# Altium PCB LeVentilateur.PcbDoc (part 2 of 2)
Units mm, origin at the board's own origin, x right, y up, seen from the top; angles counter-clockwise.
Board outline 207.39 x 152.65 mm, 2 copper layers (Top Layer, Bottom Layer); 161 components, 122 nets, 550 pads, 181 vias.
Unrouted connection lines stored in the file: 6.
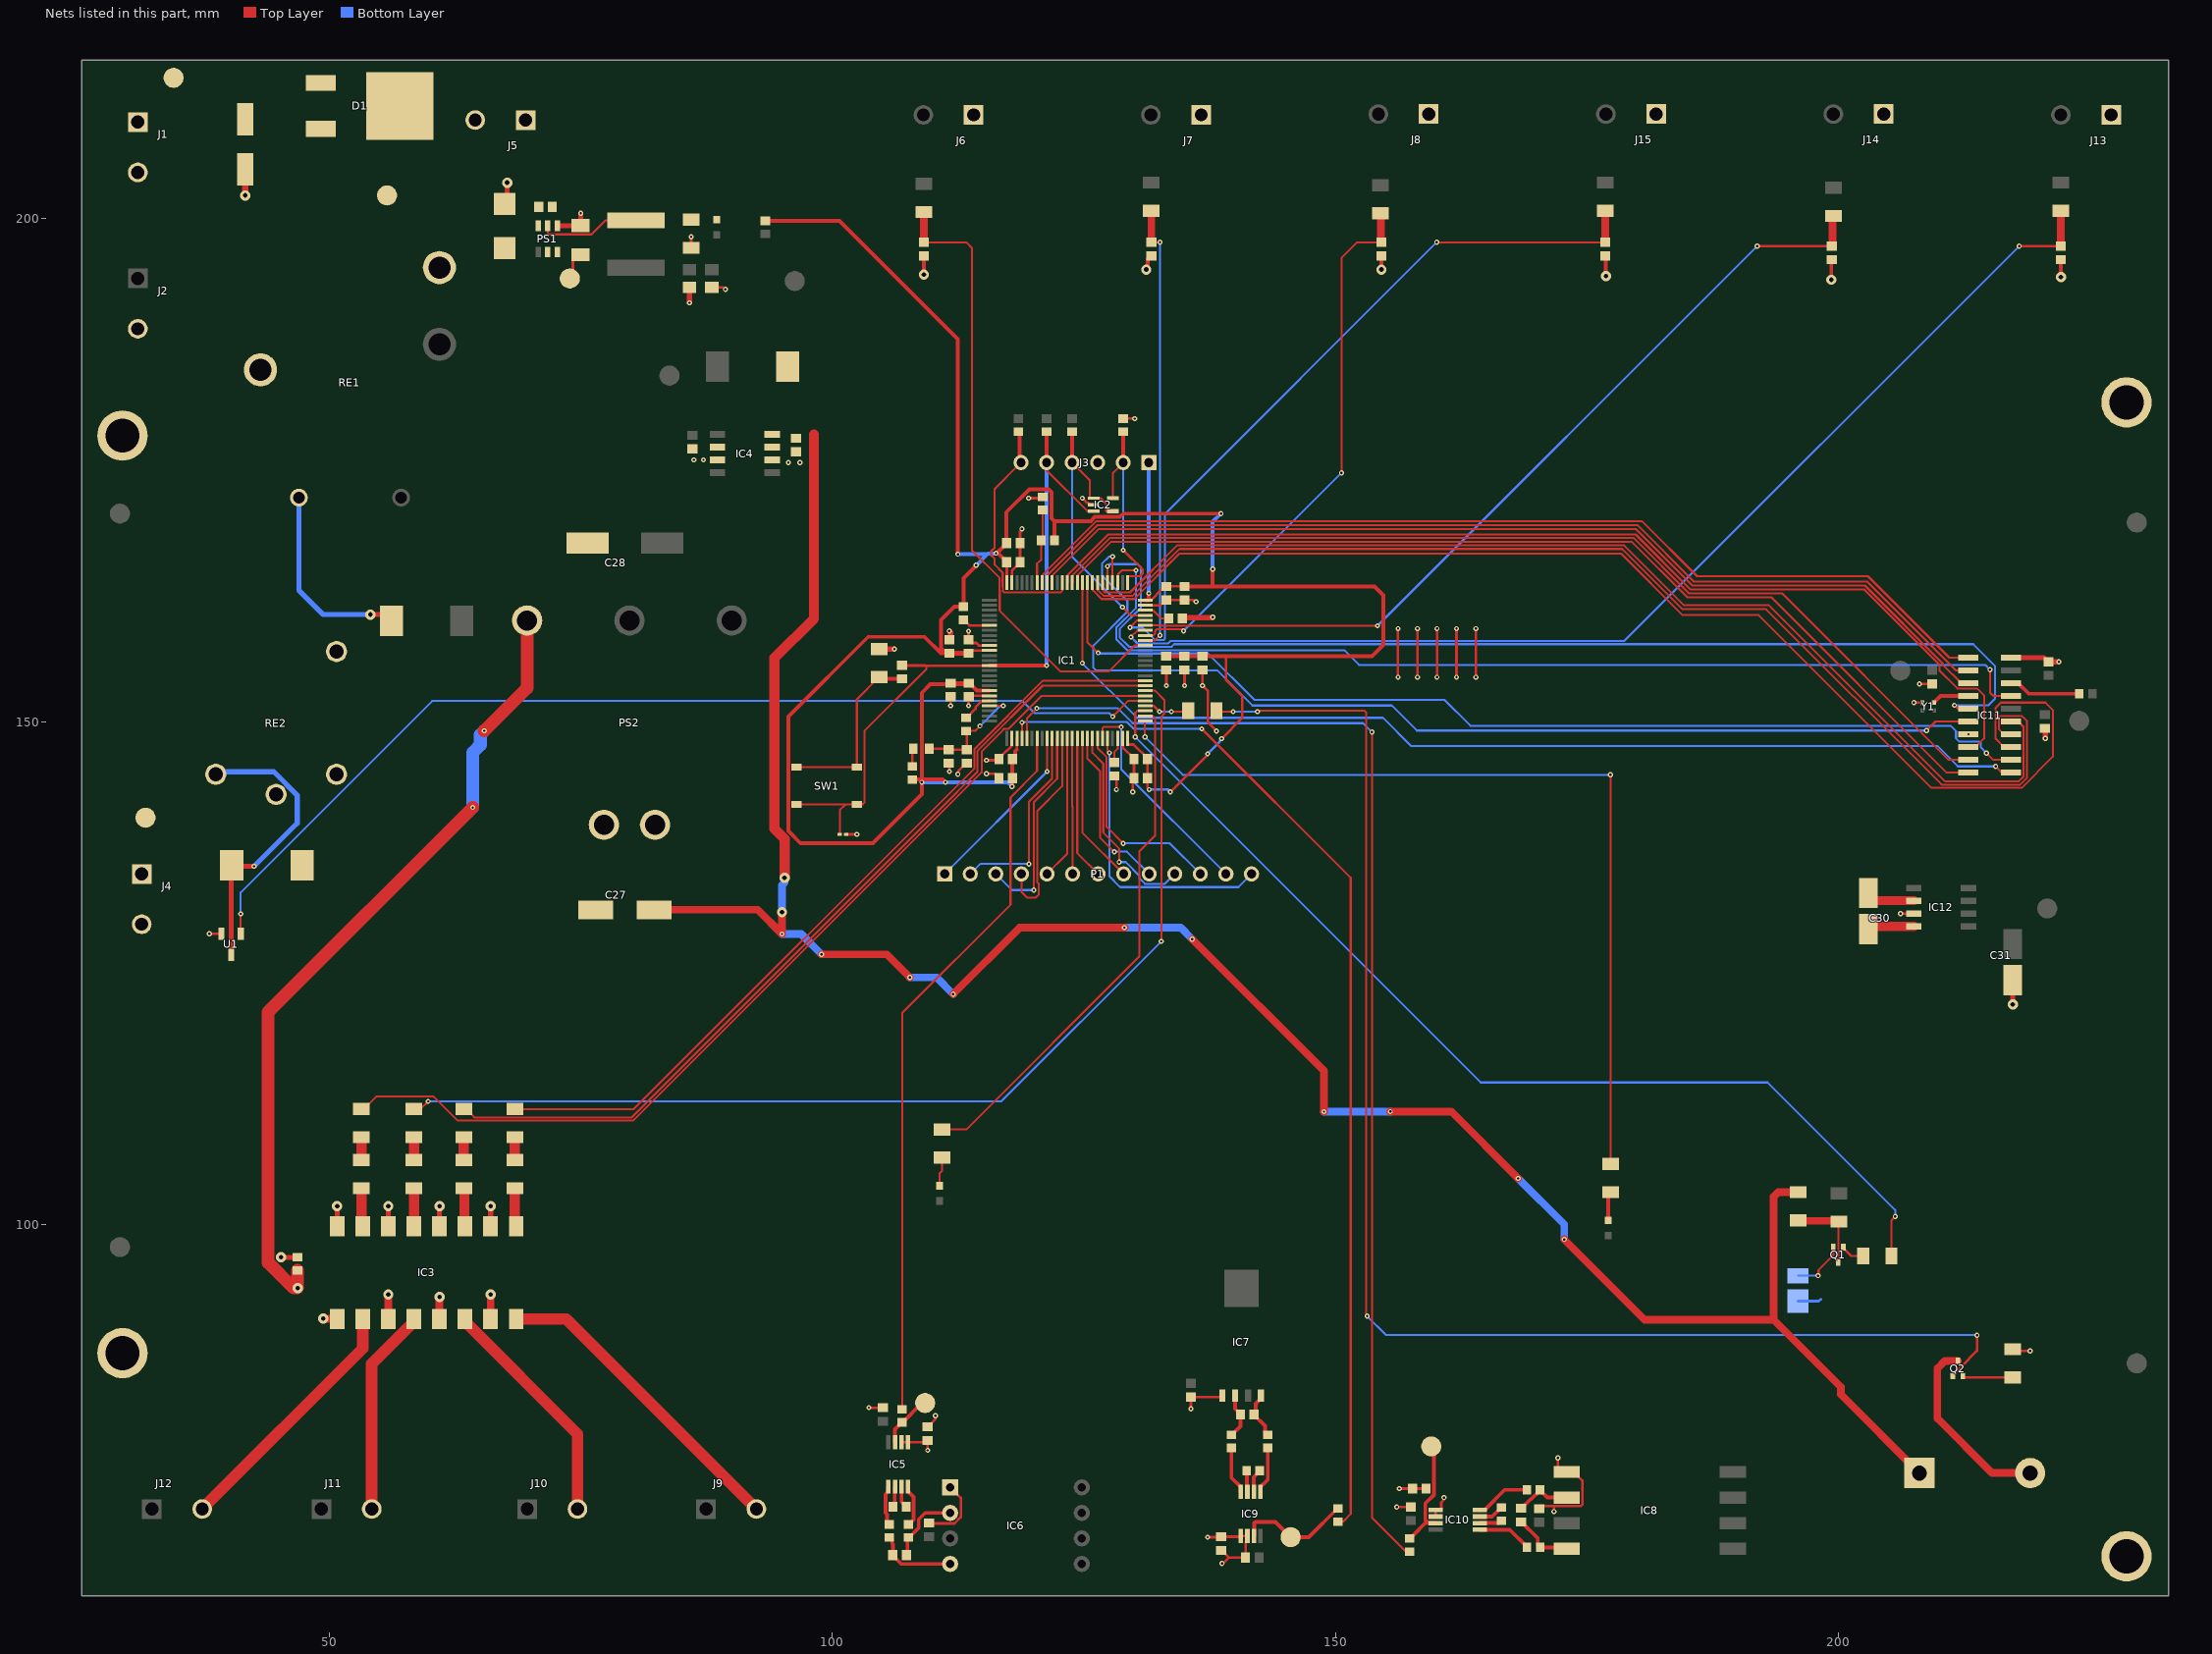
[diagram p2: the nets of this part, all layers, seen from the top]

## Via types
v1: diameter 0.508, hole 0.229, Top Layer to Bottom Layer, tented both sides, 155 vias
v2: diameter 1.016, hole 0.457, Top Layer to Bottom Layer, tented both sides, 24 vias
v3: diameter 3, hole 3, Top Layer to Bottom Layer, 2 vias

## Nets (pads, with @x,y where several pads share a name; then routed paths per layer and width w, separated by ;. In a path a pad name is that pad's centre, name@x,y a point inside that pad or via, vN(x,y) a via of type N, cw(c..) or ccw(c..) an arc to the next point about the centre after c; other vN are vias at no path point) (continued)
COM: C2.2 C3.1 C4.1 C5.1 C6.2 C7.2 C8.2 C9.2 C10.2 C11.2 C12.2 C13.2 C14.2 C15.2 C16.2 C17.2 C18.2 C19.2 C20.2 C21.2 C22.2 C23.1 C25.2 C26.2 C27.2 C29.2 C31.1 C39.2 C43.1 C43.2 C45.2 C46.1 C47.1 C49.1 C51.1 C52.1 C52.2 C53.2 C54.2 C55.2 C56.2 C57.2 C58.2 C59.2 C60.2 C61.2 C62.1 C62.2 D2.2 D3.2 D4.2 IC1.10 IC1.20 IC1.27 IC1.49 IC1.74 IC1.99 IC2.2 IC3.2 IC3.4 IC3.6 IC3.8 IC4.2 IC4.3 IC4.6 IC4.7 IC5.5 IC5.6 IC6.1 IC7.1 IC8.1 IC9.5 IC9.6 IC10.5 IC10.6 IC11.7 IC11.20 IC12.3 J1.2 J2.2 J3.3 J4.2 J6.1 J7.1 J8.1 J13.1 J14.1 J15.1 LED4.2 pad.4 PS1.4 PS2.1 R1.1 R3.1 R17.2 R26.1 R27.1 R44.1 RE1.2 U1.2 Y1.2 | length 193.9
  Top Layer w0.254: v1(38.1,128.939) U1.2@39.304,128.939 ; R1.1@85.979,197.098 v1(85.979,198.196) ; C5.1@88.011,193.181 89.105,193.181 89.309,192.976 v1(89.378,192.976) ; D3.2@101.367,138.811 v1(102.441,138.811) ; v1(103.632,81.828) C46.1@105.029,81.828 ; IC5.6@106.878,78.387 IC5.5@107.528,78.387 ; IC5.5@107.528,78.862 IC5.5@107.528,78.387 ; C43.2@109.151,79.6 C43.2@109.474,79.923 110.236,80.685 v1(110.236,81.026) ; v1(109.474,77.597) C43.1@109.474,78.573 109.288,78.387 IC5.5@107.528,78.387 ; C45.2@109.601,70.358 109.639,70.32 112.144,70.32 112.762,70.937 112.762,72.86 IC6.1@111.708,73.914 ; C25.2@111.568,145.883 111.633,145.818 v1(111.633,145.05) ; v1(111.76,151.583) C9.2@111.76,152.487 ; v1(112.471,144.792) 112.52,144.841 112.52,145.081 113.322,145.883 C26.2@113.372,145.883 ; v1(113.538,151.583) 113.538,152.461 C8.2@113.564,152.487 113.66,152.583 IC1.20@115.606,152.583 ; v1(113.538,159.004) C6.2@113.538,158.155 113.861,157.832 114.297,157.832 114.546,157.583 IC1.10@115.606,157.583 ; v1(115.316,144.841) 116.104,144.841 116.173,144.772 116.223,144.772 116.546,144.449 C12.2@116.546,144.399 ; v1(115.316,146.177) 116.419,146.177 C10.2@116.546,146.304 ; C10.2@116.536,146.352 116.546,146.354 117.318,147.126 117.371,147.126 117.82,147.575 117.82,148.322 IC1.27@117.844,148.345 ; IC1.99@117.844,163.821 117.844,164.998 118.658,165.812 C19.2@118.658,165.862 C18.2@118.658,167.767 118.658,168.91 118.844,169.095 v1(118.844,169.164) ; v1(119.507,172.227) 120.777,172.227 R3.1@120.904,172.354 ; v1(124.843,172.227) 124.843,172.203 125.274,171.773 125.383,171.773 125.579,171.577 IC2.2@125.979,171.577 ; C23.1@128.016,144.613 128.23,144.399 v1(128.23,143.256) ; IC1.49@128.843,148.345 128.866,148.322 128.866,147.46 129.972,146.354 C14.2@129.972,146.304 C13.2@129.972,144.399 129.846,144.272 v1(129.846,143.02) ; R26.1@128.905,180.131 v1(130.049,180.131) ; IC1.74@131.082,161.583 132.627,161.583 133.147,162.103 C16.2@133.197,162.103 C15.2@135.001,162.103 135.897,162.103 136.075,161.925 v1(136.144,161.925) ; v2(131.191,194.945) v2@131.326,195.08 ; C56.2@131.326,195.979 131.649,196.302 C56.2@131.699,196.302 ; C22.2@133.17,155.154 133.197,155.128 v1(133.197,153.583) ; C21.2@134.975,155.154 135.001,155.128 v1(135.001,153.583) ; v1(135.636,81.714) C61.2@135.636,82.891 ; C61.2@135.879,82.839 135.89,82.891 138.627,82.891 IC7.1@138.768,83.032 ; C20.2@136.779,155.154 v1(136.779,153.583) 137.322,153.04 137.322,149.937 v1(138.176,149.083) ; v1(137.287,68.961) 138.601,68.961 C62.2@138.641,69.001 140.519,69.001 IC9.5@140.587,69.069 IC9.6@141.237,69.069 141.237,68.594 141.057,68.414 C47.1@141.057,66.929 139.398,66.929 ; v1(138.716,66.342) 138.811,66.342 139.398,66.929 ; C62.1@138.811,67.481 C62.1@138.641,67.651 138.691,67.651 139.398,66.944 139.398,66.929 ; v1(156.083,71.958) C49.1@157.48,71.958 ; v1(156.21,154.432) v1(156.21,159.258) ; v1(156.337,73.787) C52.1@157.654,73.787 ; C52.1@157.48,73.613 C52.1@157.654,73.787 ; v1(158.147,154.432) v1(158.147,159.258) ; C52.2@159.004,73.787 C52.1@157.654,73.787 ; IC10.6@159.938,71.004 IC10.5@159.938,71.654 160.413,71.654 160.511,71.752 160.511,72.421 160.782,72.692 v1(160.782,72.898) ; v1(160.083,154.432) v1(160.083,159.258) ; v1(162.02,154.432) v1(162.02,159.258) ; v1(163.957,154.432) v1(163.957,159.258) ; C51.1@170.233,71.795 170.482,72.044 171.704,72.044 ; v1(171.704,71.501) 171.704,72.044 ; v1(172.085,76.835) 172.085,75.911 172.558,75.438 IC8.1@172.979,75.438 173.679,75.438 174.533,74.584 174.533,72.193 174.384,72.044 171.704,72.044 ; C60.2@176.795,196.302 C60.2@176.864,196.233 ; C59.2@199.263,195.86 C59.2@199.324,195.921 ; v1(206.133,130.937) IC12.3@207.473,130.937 ; v1(207.473,151.903) 207.481,151.894 208.307,151.894 Y1.2@208.315,151.886 ; v1(208.026,153.757) C53.2@209.296,153.757 ; R17.2@217.297,87.633 217.46,87.47 v1(219.026,87.47)
  Top Layer w0.381: v2(109.093,194.437) C55.2@109.093,196.302 ; v2@131.326,195.08 C56.2@131.326,195.979 ; v2(154.559,194.945) C57.2@154.559,196.302 ; v2(176.864,194.31) C60.2@176.864,196.233 ; v2(199.263,193.929) C59.2@199.263,195.86 ; v2(222.076,194.183) C58.2@222.076,195.921
  Top Layer w0.508: v2(45.212,96.774) R27.1@46.863,96.774 ; IC3.8@50.8,99.85 v2(50.8,101.854) ; v2(54.087,160.655) 55.555,160.655 D4.2@56.19,160.02 ; IC3.6@55.88,99.85 v2(55.88,101.854) ; IC3.4@60.96,99.85 v2(60.96,101.854) ; IC3.2@66.04,99.85 v2(66.04,101.854) ; D2.2@67.437,201.463 67.691,201.717 v2(67.691,203.581) ; PS1.4@72.666,199.293 73.502,199.293 73.514,199.305 74.984,199.305 C3.1@74.995,199.316 v1(74.995,200.533) ; v1(85.807,191.643) C4.1@85.807,193.181 ; R44.1@104.648,157.229 v1(106.172,157.229) ; v1(111.622,159.029) 111.76,158.892 111.76,158.282 C7.2@111.633,158.155 ; C11.2@134.787,160.274 134.85,160.338 137.731,160.338 v1(137.795,160.401) ; IC11.20@217.136,156.373 220.39,156.373 220.803,155.96 C29.2@220.853,155.96 220.857,155.956 v1(221.869,155.956) ; v2(217.297,121.92) C31.1@217.297,124.311 ; C54.2@220.472,149.348 220.541,149.28 v1(220.541,148.342)
  Top Layer w0.635: v2(41.656,202.311) C2.2@41.656,204.891
  Bottom Layer w0.254: LED4.2@195.961,92.422 198.017,92.422 198.178,92.583 198.247,92.583
  Bottom Layer w0.508: RE1.2@46.99,172.279 46.99,163.062 49.397,160.655 v2(54.087,160.655)
  other v1: 212.897,148.753 95.631,175.768 96.774,175.768 86.233,176.022 87.187,176.022
COM_ISO: C28.2 IC3.9 IC3.11 IC3.13 IC3.15 PS2.5 R27.2 | length 88.7
  Top Layer w0.762: v2(49.403,90.678) 49.417,90.664 50.786,90.664 IC3.9@50.8,90.65 ; IC3.11@55.88,90.65 v2(55.88,93.091) ; IC3.13@60.96,90.65 v2(60.96,92.837) ; IC3.15@66.04,90.65 v2(66.04,93.091)
  Top Layer w1.27: R27.2@46.863,95.474 v2(46.863,93.726) 46.464,93.726 43.942,96.248 43.942,121.158 v1(64.262,141.478) ; v1(65.408,149.098) 69.676,153.366 PS2.5@69.676,160.075
  Bottom Layer w1.27: v1(64.262,141.478) 64.262,146.939 65.024,147.701 65.024,148.714 v1(65.408,149.098)
LP_VOUT_N: C48.2 IC7.4 R32.2 | length 4.8
  Top Layer w0.381: IC7.4@142.578,83.032 142.578,82.732 142.07,82.225 142.07,81.324 C48.2@141.899,81.153 141.899,81.103 142.981,80.021 142.981,79.37 143.216,79.136 R32.2@143.265,79.136
LP_VOUT_P: C48.1 IC7.2 R35.2 | length 4.5
  Top Layer w0.381: R35.2@139.657,79.136 139.707,79.136 140.549,79.978 C48.1@140.549,81.153 140.549,81.203 140.038,81.714 IC7.2@140.038,83.032
NetB1_2: B1.2 Q2.3 | length 18.8
  Top Layer w0.762: Q2.3@211.836,86.477 210.556,86.477 209.804,85.725 209.804,80.772 215.238,75.338 B1.2@219.026,75.338
NetC1_1: C1.1 PS1.6
NetC1_2: C1.2 L1.1 PS1.5 | length 10.1
  Top Layer w0.203: PS1.5@71.716,199.293 71.716,198.591 71.869,198.437 76.072,198.437 77.47,199.835 L1.1@80.5,199.835
NetC2_1: C2.1 D1.1 D1.3 J1.1 TP1.1
NetC11_1: C11.1 IC1.73 | length 2.7
  Top Layer w0.203: IC1.73@131.082,161.083 131.881,161.083 132.69,160.274 C11.1@133.437,160.274
NetC23_2: C23.2 IC1.48 | length 2.5
  Top Layer w0.203: C23.2@128.016,145.963 128.016,146.99 128.344,147.317 IC1.48@128.344,148.345
NetC24_1: C24.1 R44.2 SW1.1 SW1.2 | length 18.2
  Top Layer w0.203: SW1.1@96.441,145.487 SW1.2@102.441,145.487 102.441,152.222 R44.2@104.648,154.429
  Top Layer w0.254: R44.2@104.648,154.429 R44.2@104.812,154.265
  Top Layer w0.381: R44.2@104.812,154.265 C24.1@106.934,154.265
NetC25_1: C25.1 C26.1 IC1.22 L2.2 R6.1 | length 11.7
  Top Layer w0.203: R6.1@113.284,149.083 114.173,149.083 v1(114.671,149.581) ; IC1.22@115.606,151.583 v1(116.967,151.583)
  Top Layer w0.254: L2.2@109.639,147.32 111.481,147.32 C25.1@111.568,147.233 C26.1@113.372,147.233 113.372,148.995 R6.1@113.284,149.083
  Bottom Layer w0.203: v1(114.671,149.581) 116.673,151.583 v1(116.967,151.583)
NetC30_1: C30.1 IC12.2 | length 4.9
  Top Layer w0.889: C30.1@202.946,132.991 202.946,132.942 203.681,132.207 IC12.2@207.473,132.207
NetC30_2: C30.2 IC12.4 | length 4.6
  Top Layer w0.889: C30.2@202.946,129.391 203.222,129.667 IC12.4@207.473,129.667
NetC55_1: C55.1 IC1.66 R45.1 | length 63.3
  Top Layer w0.203: C55.1@109.093,197.652 113.32,197.652 113.868,197.104 113.868,167.056 116.594,164.33 116.594,163.072 116.635,163.072 116.635,161.038 122.682,154.991 127.457,154.991 130.049,157.583 IC1.66@131.082,157.583
  Top Layer w0.762: C55.1@109.093,197.652 R45.1@109.093,200.657
NetC56_1: C56.1 IC1.67 R46.1 | length 44.7
  Top Layer w0.203: IC1.67@131.082,158.083 132.055,158.083 v1(132.563,158.591) ; C56.1@131.699,197.652 v1(132.563,197.652)
  Top Layer w0.762: C56.1@131.699,197.652 R46.1@131.699,200.784
  Bottom Layer w0.203: v1(132.563,158.591) v1(132.563,197.652)
NetC57_1: C57.1 IC1.68 R47.1 | length 55.4
  Top Layer w0.203: IC1.68@131.082,158.583 131.888,158.583 132.055,158.75 132.055,159.004 132.266,159.215 134.714,159.215 v1(134.899,159.029) ; v1(150.597,174.727) 150.597,196.103 152.146,197.652 C57.1@154.559,197.652
  Top Layer w0.762: R47.1@154.441,200.53 154.5,200.471 154.5,197.711 C57.1@154.559,197.652
  Bottom Layer w0.203: v1(134.899,159.029) v1(150.597,174.727)
NetC58_1: C58.1 IC1.69 R48.1 | length 114.2
  Top Layer w0.203: v1(129.671,158.424) 130.33,159.083 IC1.69@131.082,159.083 ; v1(217.932,197.271) C58.1@222.076,197.271
  Top Layer w0.762: C58.1@222.076,197.271 R48.1@222.076,200.784
  Bottom Layer w0.203: v1(129.671,158.424) 130.316,157.778 133.375,157.778 133.636,158.039 178.7,158.039 v1(217.932,197.271)
NetC59_1: C59.1 IC1.70 R49.1 | length 86.9
  Top Layer w0.203: IC1.70@131.082,159.583 132.728,159.583 132.766,159.545 v1(154.171,159.545) ; v1(191.897,197.271) C59.1@199.324,197.271
  Top Layer w0.762: C59.1@199.324,197.271 199.328,197.271 199.397,197.34 199.397,200.2 R49.1@199.47,200.273
  Bottom Layer w0.203: v1(154.171,159.545) v1(191.897,197.271)
NetC60_1: C60.1 IC1.71 R50.1 | length 76.3
  Top Layer w0.203: v1(129.588,159.369) 130.302,160.083 IC1.71@131.082,160.083 ; v1(160.06,197.652) C60.1@176.795,197.652
  Top Layer w0.762: R50.1@176.784,200.784 176.79,200.778 176.79,197.658 C60.1@176.795,197.652
  Bottom Layer w0.203: v1(129.588,159.369) 130.819,159.369 132.08,158.108 132.912,158.108 133.045,158.242 133.045,170.637 v1(160.06,197.652)
NetD5_2: D5.2 RE2.5 U1.3 | length 29.1
  Top Layer w0.508: U1.3@40.259,126.839 40.259,135.67 40.293,135.636 v1(42.545,135.636)
  Bottom Layer w0.508: RE2.5@38.735,144.78 38.989,145.034 44.505,145.034 46.819,142.719 46.819,139.91 v1(42.545,135.636)
NetIC1_6: IC1.6 R4.2 | length 2.8
  Top Layer w0.254: R4.2@113.03,160.132 113.08,160.132 113.629,159.583 IC1.6@115.606,159.583
NetIC1_21: IC1.21 R6.2 | length 3.1
  Top Layer w0.254: R6.2@113.284,150.383 113.334,150.383 114.234,151.283 114.234,151.458 114.836,152.06 115.582,152.06 IC1.21@115.606,152.083
NetIC1_29: IC1.29 R33.1 | length 105.5
  Top Layer w0.203: IC1.29@118.844,148.345 v1(118.844,149.936) ; v1(136.703,149.301) 151.511,134.493 151.511,71.268 150.749,70.506 R33.1@150.241,70.506
  Bottom Layer w0.203: v1(118.844,149.936) 118.869,149.962 129.286,149.962 129.946,149.301 v1(136.703,149.301)
NetIC1_30: IC1.30 R36.1 | length 120.9
  Top Layer w0.203: IC1.30@119.344,148.345 119.344,150.357 v1(120.32,151.333) ; v1(153.619,148.971) 153.619,70.907 156.997,67.528 R36.1@157.353,67.528
  Bottom Layer w0.203: v1(120.32,151.333) 128.381,151.333 129.855,149.86 152.73,149.86 v1(153.619,148.971)
NetIC1_32: IC1.32 R29.1 | length 72.2
  Top Layer w0.203: R29.1@106.934,81.661 106.934,121.056 117.704,131.826 117.704,142.469 120.344,145.109 IC1.32@120.344,148.345
NetIC1_34: IC1.34 P1.1 | length 17.7
  Top Layer w0.203: v1(121.344,145.05) IC1.34@121.344,148.345
  Bottom Layer w0.203: P1.1@111.168,134.874 v1(121.344,145.05)
NetIC1_35: IC1.35 P1.2 | length 19.7
  Top Layer w0.203: v1(119.532,135.865) 119.532,142.062 121.843,144.373 IC1.35@121.843,148.345
  Bottom Layer w0.203: P1.2@113.708,134.874 114.699,135.865 v1(119.532,135.865)
NetIC1_36: IC1.36 P1.3 | length 20.5
  Top Layer w0.203: v1(120.019,133.274) 120.019,142.016 122.344,144.34 IC1.36@122.344,148.345
  Bottom Layer w0.203: P1.3@116.248,134.874 117.848,133.274 v1(120.019,133.274)
NetIC1_37: IC1.37 P1.4 | length 20.5
  Top Layer w0.203: P1.4@118.788,134.874 118.788,133.104 119.38,132.512 120.193,132.512 120.523,132.842 120.523,133.883 120.349,134.057 120.349,141.101 122.843,143.595 IC1.37@122.843,148.345
NetIC1_38: IC1.38 P1.5 | length 14.3
  Top Layer w0.203: P1.5@121.328,134.874 123.344,136.89 IC1.38@123.344,148.345
NetIC1_39: IC1.39 P1.6 | length 13.5
  Top Layer w0.203: IC1.39@123.843,148.345 123.843,141.604 123.868,141.58 P1.6@123.868,134.874
NetIC1_40: IC1.40 P1.7 | length 14.3
  Top Layer w0.203: IC1.40@124.344,148.345 124.344,136.938 P1.7@126.408,134.874
NetIC1_41: IC1.41 P1.8 | length 15.2
  Top Layer w0.203: IC1.41@124.843,148.345 124.843,138.978 P1.8@128.948,134.874
NetIC1_42: IC1.42 P1.9 | length 16.8
  Top Layer w0.203: IC1.42@125.344,148.345 125.344,146.357 126.594,145.106 126.594,138.506 v1(128.016,137.084)
  Bottom Layer w0.203: v1(128.016,137.084) 129.278,137.084 P1.9@131.488,134.874
NetIC1_43: IC1.43 P1.10 | length 20.4
  Top Layer w0.203: IC1.43@125.843,148.345 125.843,146.915 126.924,145.835 126.924,138.989 128.499,137.414 v1(128.499,136.056)
  Bottom Layer w0.203: v1(128.499,136.056) 129.15,136.056 130.505,134.701 130.505,134.454 131.064,133.895 133.049,133.895 P1.10@134.028,134.874
NetIC1_44: IC1.44 P1.11 | length 20.4
  Top Layer w0.203: IC1.44@126.344,148.345 126.344,147.395 127.254,146.484 127.254,139.561 v1(128.903,137.913)
  Bottom Layer w0.203: v1(128.903,137.913) 133.529,137.913 P1.11@136.568,134.874
NetIC1_45: IC1.45 P1.12 | length 21.8
  Top Layer w0.203: IC1.45@126.843,148.345 126.843,149.352 126.97,149.479 v1(128.702,149.479)
  Bottom Layer w0.203: v1(128.702,149.479) 128.702,145.28 P1.12@139.108,134.874
NetIC1_46: IC1.46 P1.13 | length 28.9
  Top Layer w0.203: IC1.46@127.344,148.345 127.344,147.103 v1(127.533,146.914)
  Bottom Layer w0.203: v1(127.533,146.914) 127.533,134.62 128.588,133.565 140.339,133.565 P1.13@141.648,134.874
NetIC1_51: IC1.51 R12.1 | length 88.1
  Top Layer w0.203: v1(131.064,148.488) 131.064,150.083 IC1.51@131.082,150.083 ; v1(177.317,144.729) 177.335,144.712 R12.1@177.335,106.048
  Bottom Layer w0.203: v1(131.064,148.488) 134.823,144.729 v1(177.317,144.729)
NetIC1_52: IC1.52 R11.1 | length 52.1
  Top Layer w0.203: R11.1@110.914,109.477 113.309,109.477 130.505,126.673 130.505,137.135 132.08,138.709 132.08,150.329 131.826,150.583 IC1.52@131.082,150.583
NetIC1_53: IC1.53 R15.2 | length 103.2
  Top Layer w0.203: v1(130.099,148.488) 130.099,150.88 130.302,151.083 IC1.53@131.082,151.083 ; R15.2@205.235,96.911 205.235,100.429 205.616,100.81 v1(205.616,100.838)
  Bottom Layer w0.203: v1(130.099,148.488) 164.44,114.148 192.938,114.148 205.616,101.47 v1(205.616,100.838)
NetIC1_54: IC1.54 R16.2 | length 4.6
  Top Layer w0.203: IC1.54@131.082,151.583 131.926,151.583 v1(132.506,151.003) ; v1(133.694,151.003) 135.296,151.003 R16.2@135.376,151.083
  Bottom Layer w0.203: v1(132.506,151.003) v1(133.694,151.003)
NetIC1_55: IC1.55 U1.1 | length 103.1
  Top Layer w0.203: U1.1@41.214,128.939 v1(41.214,130.912) ; v1(127.864,150.52) 129.426,152.083 IC1.55@131.082,152.083
  Bottom Layer w0.203: v1(41.214,130.912) 41.214,133.035 60.245,152.066 118.905,152.066 120.12,150.851 127.533,150.851 v1(127.864,150.52)
NetIC1_56: IC1.56 R25.1 | length 98.1
  Top Layer w0.203: R25.1@53.213,111.509 53.438,111.509 54.68,112.751 60.383,112.751 62.784,110.35 80.21,110.35 114.833,144.973 114.833,147.046 116.965,149.177 117.099,149.311 117.536,149.311 120.808,152.583 IC1.56@131.082,152.583
NetIC1_57: IC1.57 R23.1 | length 107.6
  Top Layer w0.203: R23.1@58.42,111.509 59.083,111.509 v1(59.842,112.268) ; IC1.57@131.082,153.083 132.08,153.083 132.989,152.174 132.989,150.803 132.69,150.504 v1(132.69,128.168)
  Bottom Layer w0.203: v1(59.842,112.268) 116.789,112.268 v1(132.69,128.168)
NetIC1_58: IC1.58 R21.1 | length 87
  Top Layer w0.203: R21.1@63.373,111.509 63.598,111.509 64.427,110.68 80.073,110.68 112.399,143.006 112.399,143.02 114.431,145.051 114.431,147.11 120.904,153.583 IC1.58@131.082,153.583
NetIC1_59: IC1.59 R19.1 | length 81.4
  Top Layer w0.203: R19.1@68.453,111.509 80.272,111.509 114.101,145.338 114.101,147.247 120.937,154.083 IC1.59@131.082,154.083
NetIC1_78: IC1.78 IC11.17 | length 103
  Top Layer w0.203: IC1.78@128.344,163.821 128.344,164.615 128.778,165.049 v1(130.175,165.049) ; v1(215.036,155.169) 215.036,152.908 215.381,152.563 IC11.17@217.136,152.563
  Bottom Layer w0.203: v1(130.175,165.049) 130.175,161.32 128.219,159.364 128.219,158.191 129.293,157.118 150.857,157.118 152.323,155.652 214.553,155.652 v1(215.036,155.169)
NetIC1_79: IC1.79 IC11.6 | length 106.6
  Top Layer w0.203: IC1.79@127.843,163.821 v1(127.843,166.421) ; v1(208.726,149.123) 209.626,150.023 IC11.6@212.886,150.023
  Bottom Layer w0.203: v1(127.843,166.421) 127.508,166.421 126.797,165.71 126.797,164.541 129.311,162.027 129.311,160.96 125.933,157.582 125.933,155.372 126.213,155.092 138.278,155.092 141.757,151.613 155.6,151.613 158.09,149.123 v1(208.726,149.123)
NetIC1_80: IC1.80 IC11.5 | length 110.5
  Top Layer w0.203: IC1.80@127.344,163.821 v1(127.344,165.456) ; v1(211.495,151.638) 211.84,151.293 IC11.5@212.886,151.293
  Bottom Layer w0.203: v1(127.344,165.456) 127.547,165.659 130.353,165.659 130.658,165.354 130.658,161.335 128.549,159.227 128.549,158.394 129.496,157.448 133.706,157.448 133.966,157.709 213.36,157.709 215.519,155.55 215.519,152.273 214.884,151.638 v1(211.495,151.638)
NetIC1_81: IC1.81 IC11.15 | length 110.6
  Top Layer w0.203: IC1.81@126.843,163.821 126.892,163.773 126.892,163.062 127.099,162.855 129.588,162.855 134.26,167.526 178.686,167.526 184.633,161.58 193.053,161.58 210.549,144.084 217.901,144.084 218.365,144.549 218.365,149.495 217.836,150.023 IC11.15@217.136,150.023
NetIC1_82: IC1.82 IC11.14 | length 116.5
  Top Layer w0.203: IC1.82@126.344,163.821 126.392,163.773 126.392,163.062 126.929,162.525 129.846,162.525 134.491,167.171 178.488,167.171 184.471,161.188 192.795,161.188 210.229,143.754 218.037,143.754 218.695,144.412 218.695,150.088 218.231,150.552 216.041,150.552 215.907,150.418 215.907,149.282 216.436,148.753 IC11.14@217.136,148.753
NetIC1_83: IC1.83 IC11.13 | length 125.1
  Top Layer w0.203: IC1.83@125.843,163.821 125.892,163.773 125.892,163.062 126.759,162.194 129.982,162.194 134.503,166.715 178.389,166.715 184.497,160.607 192.05,160.607 209.232,143.424 218.174,143.424 221.277,146.527 221.277,151.166 220.541,151.903 216.122,151.903 215.577,151.358 215.577,148.342 216.436,147.483 IC11.13@217.136,147.483
NetIC1_84: IC1.84 IC11.12 | length 103.2
  Top Layer w0.203: IC1.84@125.344,163.821 125.344,157.917 v1(126.416,156.845) ; v1(214.681,146.888) 215.356,146.213 IC11.12@217.136,146.213
  Bottom Layer w0.203: v1(126.416,156.845) 126.473,156.788 137.319,156.788 141.935,152.171 160.833,152.171 163.398,149.606 211.107,149.606 211.654,149.058 211.654,148.361 212.004,148.012 213.981,148.012 214.115,147.878 214.115,147.454 v1(214.681,146.888)
NetIC1_85: IC1.85 IC11.11 | length 104.8
  Top Layer w0.203: v1(124.843,155.827) IC1.85@124.843,163.821 ; v1(215.595,145.567) 216.219,144.943 IC11.11@217.136,144.943
  Bottom Layer w0.203: v1(124.843,155.827) 130.277,150.393 154.711,150.393 157.531,147.574 209.84,147.574 211.847,145.567 v1(215.595,145.567)
NetIC1_86: IC1.86 IC11.10 | length 100.2
  Top Layer w0.203: IC1.86@124.344,163.821 124.392,163.869 124.392,164.58 127.708,167.897 179.425,167.897 184.958,162.364 193.305,162.364 210.726,144.943 IC11.10@212.886,144.943
NetIC1_87: IC1.87 IC11.9 | length 100.4
  Top Layer w0.203: IC1.87@123.843,163.821 123.892,163.869 123.892,164.58 127.591,168.279 179.597,168.279 185.12,162.756 194.375,162.756 210.918,146.213 IC11.9@212.886,146.213
NetIC1_88: IC1.88 IC11.8 | length 106.7
  Top Layer w0.203: IC1.88@123.344,163.821 123.392,163.869 123.392,164.58 127.421,168.609 179.822,168.609 185.283,163.148 202.528,163.148 210.025,155.652 210.025,155.071 211.791,153.305 213.768,153.305 214.445,152.628 214.445,148.342 213.586,147.483 IC11.8@212.886,147.483
NetIC1_91: IC1.91 IC11.3 | length 100.8
  Top Layer w0.203: IC1.91@121.843,163.821 121.892,163.869 121.892,164.58 126.476,169.164 179.821,169.164 185.445,163.54 202.603,163.54 210.355,155.788 210.355,155.664 212.186,153.833 IC11.3@212.886,153.833 213.603,153.833 IC11.3@213.614,153.844
NetIC1_92: IC1.92 IC11.2 | length 100.3
  Top Layer w0.203: IC1.92@121.344,163.821 121.392,163.869 121.392,164.58 126.368,169.556 179.984,169.556 185.607,163.932 202.844,163.932 211.673,155.103 IC11.2@212.886,155.103
NetIC1_93: IC1.93 IC11.1 | length 100.6
  Top Layer w0.203: IC1.93@120.843,163.821 120.892,163.869 120.892,164.58 126.26,169.948 180.445,169.948 185.928,164.465 202.901,164.465 210.993,156.373 IC11.1@212.886,156.373
NetIC1_94: IC1.94 R2.1 R3.2 | length 7.5
  Top Layer w0.203: IC1.94@120.344,163.821 120.344,165.71 120.762,166.128 R2.1@120.762,168.021 120.904,168.021 R3.2@120.904,171.054
NetIC3_1: IC3.1 R18.2 | length 3.9
  Top Layer w0.203: IC3.1@68.453,99.977 68.453,99.85 IC3.1@68.58,99.85
  Top Layer w1.016: IC3.1@68.453,99.977 R18.2@68.453,103.629
NetIC3_3: IC3.3 R20.2 | length 4.1
  Top Layer w1.016: R20.2@63.119,103.629 63.345,103.629 63.436,103.537 63.436,99.913 IC3.3@63.5,99.85
NetIC3_5: IC3.5 R22.2 | length 3.8
  Top Layer w1.016: IC3.5@58.42,99.85 R22.2@58.42,103.629
NetIC3_7: IC3.7 R24.2 | length 3.9
  Top Layer w0.203: IC3.7@53.213,99.977 53.213,99.85 IC3.7@53.34,99.85
  Top Layer w1.016: IC3.7@53.213,99.977 R24.2@53.213,103.629
NetIC3_10: IC3.10 J12.2 | length 25.5
  Top Layer w1.143: J12.2@37.385,71.755 53.34,87.71 IC3.10@53.34,90.65
NetIC3_12: IC3.12 J11.2 | length 20.6
  Top Layer w1.143: J11.2@54.229,71.755 54.229,86.184 58.42,90.375 IC3.12@58.42,90.65
NetIC3_14: IC3.14 J10.2 | length 23.5
  Top Layer w1.143: IC3.14@63.5,90.65 63.5,90.375 74.676,79.199 J10.2@74.676,71.755
NetIC3_16: IC3.16 J9.2 | length 31.7
  Top Layer w1.143: IC3.16@68.58,90.65 73.561,90.65 J9.2@92.456,71.755
NetIC5_1: IC5.1 R31.1 | length 4
  Top Layer w0.381: IC5.1@105.578,73.987 105.544,73.952 105.544,73.477 105.288,73.221 105.288,71.376 105.439,71.225 105.439,70.454 R31.1@105.664,70.228
NetIC5_2: IC5.2 R30.1 | length 2.1
  Top Layer w0.381: R30.1@106.03,71.982 106.193,72.146 106.193,73.952 IC5.2@106.228,73.987
NetIC5_3: IC5.3 R30.2 | length 2.2
  Top Layer w0.381: IC5.3@106.878,73.987 106.878,72.484 107.33,72.032 R30.2@107.33,71.982
NetIC5_4: IC5.4 R28.1 | length 4.2
  Top Layer w0.381: IC5.4@107.528,73.987 107.528,73.512 108.072,72.967 108.072,70.686 107.614,70.228 R28.1@107.564,70.228
NetIC5_7: IC5.7 R29.2 TP7.1 | length 5.4
  Top Layer w0.381: IC5.7@106.228,78.387 106.228,79.705 106.884,80.361 R29.2@106.934,80.361 106.984,80.361 108.919,82.296 TP7.1@109.22,82.296
NetIC9_1: IC9.1 R32.1 | length 4.7
  Top Layer w0.381: IC9.1@142.537,73.469 142.571,73.503 142.571,73.978 143.265,74.672 R32.1@143.265,77.836
NetIC9_2: IC9.2 R34.2 | length 2.3
  Top Layer w0.381: IC9.2@141.887,73.469 141.887,74.936 142.466,75.515 R34.2@142.466,75.565
NetIC9_3: IC9.3 R34.1 | length 2.1
  Top Layer w0.381: R34.1@141.166,75.565 141.203,75.528 141.203,73.503 IC9.3@141.237,73.469
NetIC9_4: IC9.4 R35.1 | length 4.8
  Top Layer w0.381: R35.1@139.657,77.836 139.657,74.874 140.553,73.978 140.553,73.503 IC9.4@140.587,73.469
NetIC9_7: IC9.7 R33.2 TP8.1 | length 11.5
  Top Layer w0.381: IC9.7@141.887,69.069 141.921,69.103 141.921,70.354 142.048,70.481 144.022,70.481 TP8.1@145.542,68.961 147.346,68.961 150.191,71.806 R33.2@150.241,71.806
NetIC10_1: IC10.1 R38.1 | length 5.4
  Top Layer w0.381: IC10.1@164.338,69.704 167.317,69.704 169.026,67.995 R38.1@169.026,67.945
NetIC10_2: IC10.2 R37.2 | length 2.3
  Top Layer w0.381: IC10.2@164.338,70.354 166.204,70.354 166.447,70.597 R37.2@166.497,70.597
NetIC10_3: IC10.3 R37.1 | length 2.5
  Top Layer w0.381: IC10.3@164.338,71.004 165.554,71.004 166.447,71.897 R37.1@166.497,71.897
NetIC10_4: IC10.4 R41.1 | length 5.5
  Top Layer w0.381: IC10.4@164.338,71.654 164.372,71.688 164.848,71.688 166.819,73.66 R41.1@169.022,73.66
NetIC10_7: IC10.7 R36.2 TP9.1 | length 11.4
  Top Layer w0.381: R36.2@157.353,68.829 157.403,68.829 158.279,69.705 158.279,69.712 158.92,70.354 159.214,70.354 ; TP9.1@159.512,77.978 159.771,77.719 159.771,73.156 158.92,72.305 158.92,70.647 159.214,70.354 ; IC10.7@159.938,70.354 159.214,70.354
NetIC11_4: IC11.4 Y1.1 | length 4.4
  Top Layer w0.381: Y1.1@209.475,151.886 209.475,151.921 210.117,152.563 IC11.4@212.886,152.563 IC11.4@213.614,152.563
NetIC11_18: IC11.18 R39.1 | length 7.2
  Top Layer w0.381: IC11.18@217.136,153.833 217.836,153.833 218.888,152.781 R39.1@223.901,152.781
NetJ4_1: J4.1 RE2.1 TP5.1
NetJ5_1: J5.1 RE1.1
NetL2_1: L2.1 R7.2 | length 1.8
  Top Layer w0.254: R7.2@107.95,145.557 107.95,147.231 L2.1@108.039,147.32
NetLED1_1: LED1.1 R1.2
NetLED2_1: LED2.1 R11.2 | length 2.9
  Top Layer w0.203: LED2.1@110.66,103.874 110.66,105.131 110.914,105.385 R11.2@110.914,106.677
NetLED3_1: LED3.1 R12.2 | length 2.9
  Top Layer w0.381: LED3.1@177.081,100.445 177.081,102.994 R12.2@177.335,103.248
NetLED4_1: LED4.1 Q1.1 | length 5.4
  Top Layer w0.203: v1(197.952,94.947) 197.995,94.99 197.995,95.506 199.46,96.971 Q1.1@199.46,97.78
  Bottom Layer w0.203: LED4.1@195.961,94.947 v1(197.952,94.947)
NetM1_1: 
NetM1_2: 
NetM1_3: 
NetQ1_2: Q1.2 R15.1 | length 2.4
  Top Layer w0.203: Q1.2@200.46,97.78 200.46,97.687 201.237,96.911 R15.1@202.435,96.911
NetQ1_3: Q1.3 R13.1 R14.1 | length 8.1
  Top Layer w0.203: Q1.3@199.96,96.276 R14.1@199.96,100.389
  Top Layer w0.762: R13.1@195.961,100.454 196.026,100.389 R14.1@199.96,100.389
NetQ2_1: Q2.1 R17.1 | length 5
  Top Layer w0.254: Q2.1@212.336,84.973 212.336,84.936 212.439,84.833 R17.1@217.297,84.833
NetQ2_2: Q2.2 R16.1 | length 141.5
  Top Layer w0.203: R16.1@138.176,151.083 138.256,151.003 v1(139.827,151.003) ; v1(142.24,151.003) 142.32,151.083 152.873,151.083 153.054,150.901 153.054,91.014 v1(153.137,90.932)
  Top Layer w0.254: Q2.2@211.336,84.973 211.336,85.066 212.171,85.9 213.741,87.47 v1(213.741,89.027)
  Bottom Layer w0.203: v1(139.827,151.003) v1(142.24,151.003) ; v1(153.137,90.932) 155.016,89.052 v1@213.741,89.052
NetR18_1: R18.1 R19.2 | length 2.3
  Top Layer w1.016: R18.1@68.453,106.429 R19.2@68.453,108.709
NetR20_1: R20.1 R21.2 | length 2.3
  Top Layer w1.016: R20.1@63.373,106.429 R21.2@63.373,108.709
NetR22_1: R22.1 R23.2 | length 2.3
  Top Layer w1.016: R22.1@58.42,106.429 R23.2@58.42,108.709
NetR24_1: R24.1 R25.2 | length 2.3
  Top Layer w1.016: R24.1@53.213,106.429 R25.2@53.213,108.709
NRST: C24.2 D3.1 IC1.14 IC2.3 J3.5 R9.2 SW1.3 SW1.4 | length 73.3
  Top Layer w0.203: SW1.3@96.441,141.787 101.299,141.787 ; D3.1@100.742,138.811 100.736,138.811 100.736,141.224 101.299,141.787 ; C24.2@106.934,155.615 109.22,155.615 109.252,155.583 109.347,155.488 109.347,155.245 103.175,149.073 103.175,141.965 102.997,141.787 SW1.4@102.441,141.787 101.299,141.787 ; J3.5@121.285,175.768 121.285,174.996 125.354,170.927 IC2.3@125.979,170.927
  Top Layer w0.254: C24.2@106.934,155.615 106.966,155.583 109.22,155.583 109.347,155.583 IC1.14@115.606,155.583
  Top Layer w0.381: IC1.14@115.606,155.583 v1(121.285,155.583) ; J3.5@121.285,175.768 R9.2@121.285,178.831
  Bottom Layer w0.381: v1(121.285,155.583) J3.5@121.285,175.768
SWCLK: IC1.76 IC2.5 J3.2 R26.2 | length 21.1
  Top Layer w0.203: IC2.5@127.879,172.227 127.889,172.227 127.889,174.752 J3.2@128.905,175.768 ; v1(128.905,167.056) 130.852,165.109 130.852,164.761 130.556,164.465 129.344,164.465 IC1.76@129.344,163.821
  Top Layer w0.381: J3.2@128.905,175.768 R26.2@128.905,178.831
  Bottom Layer w0.203: v1(128.905,167.056) J3.2@128.905,175.768
SWDIO: IC1.72 IC2.1 IC2.4 J3.4 R8.2 | length 29.7
  Top Layer w0.203: J3.4@123.825,175.768 125.578,174.015 125.578,172.227 IC2.1@125.979,172.227 126.655,172.227 127.193,171.689 127.193,170.927 IC2.4@127.879,170.927 ; v1(128.829,161.392) 129.637,160.583 IC1.72@131.082,160.583
  Top Layer w0.381: J3.4@123.825,175.768 R8.2@123.825,178.831
  Bottom Layer w0.203: J3.4@123.825,175.768 123.825,166.395 v1(128.829,161.392)
SWO: IC1.89 J3.6 R10.2 | length 24.5
  Top Layer w0.203: J3.6@118.745,175.768 116.129,173.152 116.129,167.301 115.779,166.951 115.779,166.551 116.129,166.201 116.129,165.608 116.924,164.812 116.924,163.402 116.965,163.402 116.965,162.968 117.094,162.839 122.682,162.839 122.843,163.001 IC1.89@122.843,163.821
  Top Layer w0.381: R10.2@118.491,178.831 118.618,178.704 118.618,175.895 J3.6@118.745,175.768
TP_VOUT_N: C50.1 IC8.2 R41.2 | length 5.6
  Top Layer w0.381: C50.1@168.428,71.831 168.478,71.831 169.38,72.733 169.445,72.733 R41.2@170.322,73.61 ; R41.2@170.322,73.66 R41.2@170.322,73.61 ; IC8.2@172.979,72.898 171.034,72.898 R41.2@170.322,73.61
TP_VOUT_P: C50.2 IC8.4 R38.2 | length 6.1
  Top Layer w0.381: C50.2@168.428,70.481 168.478,70.481 170.092,68.867 170.092,68.179 R38.2@170.326,67.945 172.852,67.945 IC8.4@172.979,67.818
VBAT: D1.2 RE1.5 TP2.1
VC_VOUT_N: C44.1 IC6.4 R31.2 | length 8
  Top Layer w0.381: R31.2@105.664,68.928 105.714,68.928 105.948,68.694 105.948,68.302 106.005,68.246 C44.1@106.005,67.174 106.005,67.124 106.835,66.294 IC6.4@111.708,66.294
VC_VOUT_P: C44.2 IC6.2 R28.2 | length 7.5
  Top Layer w0.381: C44.2@107.355,67.174 107.46,67.279 107.46,68.824 R28.2@107.564,68.928 107.614,68.928 108.58,69.894 108.58,70.737 109.218,71.374 IC6.2@111.708,71.374
VDD_MCU: C6.1 C7.1 C8.1 C9.1 C10.1 C12.1 C13.1 C14.1 C15.1 C16.1 C18.1 C19.1 C20.1 C21.1 C22.1 IC1.11 IC1.19 IC1.28 IC1.50 IC1.75 IC1.100 J3.1 R2.2 R4.1 R5.2 R7.1 | length 290.8
  Top Layer w0.254: C9.1@111.76,153.837 113.614,153.837 114.368,153.083 IC1.19@115.606,153.083 ; C6.1@113.538,156.805 113.816,157.083 IC1.11@115.606,157.083 ; C19.1@117.308,165.862 117.344,165.826 IC1.100@117.344,163.821 ; C10.1@117.896,146.304 C10.1@118.219,146.627 ; 118.321,147.226 118.321,148.322 IC1.28@118.344,148.345 ; IC1.50@129.344,148.345 129.344,147.757 129.367,147.734 129.942,147.734 131.322,146.354 C13.1@131.322,144.399 131.322,143.422 v1(131.488,143.256) ; IC1.75@131.082,162.083 IC1.75@131.669,162.083 ; IC1.75@131.445,162.083 IC1.75@131.669,162.083 ; v1(133.59,143.02) 137.287,146.717 v1(137.287,146.812) ; C15.1@135.001,163.453 C16.1@133.197,163.453 132.874,163.13 132.716,163.13 IC1.75@131.669,162.083 ; v1(138.684,148.322) 138.684,148.325 140.716,150.357 140.716,152.583 139.108,154.191 139.108,156.504
  Top Layer w0.381: R5.2@93.345,199.786 100.721,199.786 112.471,188.036 v1(112.471,166.649) ; R7.1@107.95,144.257 108.89,144.257 ; v1(108.89,143.993) 108.89,142.799 104.038,137.947 96.827,137.947 95.624,139.151 95.624,150.513 103.556,158.445 109.155,158.445 110.795,156.805 C7.1@111.267,156.805 ; v1(111.242,143.993) 110.977,144.257 108.89,144.257 ; C6.1@113.538,156.805 C7.1@111.633,156.805 C7.1@111.267,156.805 ; C8.1@113.564,153.837 C9.1@111.76,153.837 111.622,153.837 C9.1@111.622,153.721 ; C8.1@113.614,153.837 C8.1@113.738,153.721 ; v1(114.297,165.554) 113.03,164.287 R4.1@113.03,161.432 112.105,161.432 110.795,160.122 110.795,157.277 C7.1@111.267,156.805 ; 114.368,153.083 114.376,153.083 ; IC1.19@115.606,153.083 114.376,153.083 ; C19.1@117.308,165.862 117.308,165.912 116.493,166.727 116.286,166.727 v1(116.262,166.751) 116.295,166.751 116.593,167.048 116.639,167.048 117.308,167.717 C18.1@117.308,167.767 117.308,170.836 119.568,173.096 121.511,173.096 121.786,172.821 121.786,170.224 122.062,169.948 ; v1(117.856,143.561) 117.876,143.581 117.876,144.379 C12.1@117.896,144.399 C10.1@117.896,146.304 118.155,146.564 118.155,147.061 118.321,147.226 ; R2.2@122.062,168.021 122.062,169.948 ; IC1.75@131.082,162.083 131.445,162.083 v1(131.445,162.763) ; C22.1@133.17,156.504 C21.1@134.975,156.504 C20.1@136.779,156.504 139.108,156.504 153.619,156.504 154.762,157.647 154.762,162.56 153.869,163.453 137.795,163.453 ; C15.1@135.001,163.453 137.795,163.453 ; v1(137.795,165.166) 137.795,163.453 ; v1(138.617,170.688) 128.889,170.688 128.568,170.367 126.086,170.367 125.667,169.948 122.062,169.948 ; 108.89,144.257 108.89,152.883 109.728,153.721 C9.1@111.622,153.721 ; C9.1@111.622,153.721 C8.1@113.738,153.721 ; C8.1@113.738,153.721 114.376,153.083
  Top Layer w0.508: C7.1@111.633,156.805 C6.1@113.538,156.805
  Bottom Layer w0.254: v1(131.488,143.256) 133.353,143.256 v1(133.59,143.02) ; v1(137.287,146.812) 138.475,148 138.475,148.044 138.684,148.253 v1(138.684,148.322)
  Bottom Layer w0.381: v1(108.89,143.993) v1(111.242,143.993) 117.424,143.993 v1(117.856,143.561) ; v1(112.471,166.649) 115.392,166.649 ; v1(114.297,165.554) 115.392,166.649 ; v1@116.262,166.692 116.227,166.727 115.47,166.727 115.392,166.649 ; v1(116.262,166.751) v1@116.292,166.751 ; v1(131.445,162.763) J3.1@131.445,175.768 ; v1(137.795,165.166) 137.795,169.866 v1(138.617,170.688)
Vin: B1.1 C3.2 C17.1 C27.1 D2.1 D5.1 D6.1 IC4.8 J5.2 PS1.2 PS1.3 PS2.2 R13.2 RE2.2 RE2.3 TP4.1 | length 227.7
  Top Layer w0.254: TP4.1@73.914,194.056 74.222,194.364 74.222,195.893 74.745,196.416 C3.2@74.995,196.416
  Top Layer w0.762: C27.1@82.275,131.318 92.583,131.318 v1(94.996,128.905) v2(94.996,131.064) ; v1(98.933,126.873) 105.41,126.873 v1(107.696,124.587) ; v1(112.014,122.936) 118.618,129.54 v1(129.032,129.54) ; v1(135.763,128.397) 148.844,115.316 v1(148.844,111.252) ; v1(155.448,111.262) 161.502,111.262 v1(168.148,104.616) ; v1(172.72,98.552) 180.721,90.551 193.547,90.551 ; R13.2@195.961,103.254 193.993,103.254 193.547,102.808 193.547,90.551 ; B1.1@208.026,75.338 200.227,83.137 200.227,83.871 193.547,90.551
  Top Layer w1.016: v2(95.25,134.493) 95.25,138.357 94.234,139.373 94.234,156.326 98.171,160.263 98.171,178.562
  Bottom Layer w0.762: v1(94.996,128.905) 96.901,128.905 v1(98.933,126.873) ; v2(94.996,131.064) 94.996,133.766 95.25,134.02 v2(95.25,134.493) ; v1(107.696,124.587) 110.363,124.587 v1(112.014,122.936) ; v1(129.032,129.54) 134.62,129.54 v1(135.763,128.397) ; v1(148.844,111.252) 148.854,111.262 v1(155.448,111.262) ; v1(168.148,104.616) 172.72,100.044 v1(172.72,98.552)
pads on no net: C27. C28. C30. C31. IC1.1 IC1.2 IC1.3 IC1.4 IC1.5 IC1.7 IC1.8 IC1.9 IC1.12 IC1.13 IC1.15 IC1.16 IC1.17 IC1.18 IC1.23 IC1.24 IC1.25 IC1.26 IC1.31 IC1.33 IC1.47 IC1.60 IC1.61 IC1.62 IC1.63 IC1.64 IC1.65 IC1.77 IC1.90 IC1.95 IC1.96 IC1.97 IC1.98 IC4.4 IC4.5 IC6.5 IC6.6 IC6.7 IC6.8 IC7. IC8.5 IC8.6 IC8.7 IC8.8 IC12.1 IC12.6 IC12.7 J1. J2. J4. J5. J6. J7. J8. J9. J10. J11. J12. J13. J14. J15. PS2.4 Y1.3
copper on no net:
  other v3: 147.955,147.015 228.4,150.658

## Polygon pours and split planes (outlines as drawn)
VBAT on Top Layer "Top Layer-VBAT" (solid, remove dead copper, pour order 4): 53.721,214.884 53.721,193.181 63.105,193.181 63.5,193.181 63.5,201.168 60.379,204.289 60.379,214.884
NetC2_1 on Top Layer "Top Layer-NetC2_1" (solid, remove dead copper, pour order 2): 25.781,207.264 52.451,207.264 52.451,215.011 52.197,215.265 25.908,215.265
Vin on Top Layer "Top Layer-Vin 4" (solid, remove dead copper, pour order 114): 63.442,211.074 63.119,210.751 63.119,196.328 63.96,195.486 69.516,195.486 69.516,198.755 69.262,199.009 65.479,199.009 65.59,199.12 65.59,211.201
12V_REG on Top Layer "Top Layer-12V_REG 3" (solid, remove dead copper, pour order 102): 159.214,69.85 159.004,69.64 159.004,64.897 176.911,64.897 176.784,65.024 176.784,71.004 171.704,71.004 171.704,69.704 171.787,69.621 174.533,69.621 174.533,66.951 174.384,66.802 174.003,67.183 162.179,67.183 162.179,69.977
Vin on Top Layer "Top Layer-Vin 2" (solid, remove dead copper, pour order 94): 80.391,128.651 81.026,128.016 87.503,128.016 87.503,137.922 87.63,137.922 87.63,150.129 86.883,150.876 68.58,150.876 65.786,148.082 54.087,148.082 54.229,158.75 47.244,158.75 46.863,138.938 44.196,138.938 44.069,138.811 44.069,133.35 44.704,132.715 53.975,132.715 53.975,139.7 53.994,141.097 57.023,141.097 60.198,144.272 80.137,144.272 80.772,143.637 80.772,142.748 80.645,141.097 80.645,132.733 80.391,132.479
12V_REG on Top Layer "Top Layer-12V_REG 4" (solid, remove dead copper, pour order 104): 86.868,179.959 86.733,179.824 86.733,178.064 85.354,178.064 80.391,173.101 80.391,164.688 88.138,156.941 88.138,151.003 74.803,151.003 74.803,161.742 77.851,164.79 77.851,179.705
Vin on Top Layer "Top Layer-Vin" (solid, remove dead copper, pour order 98): 67.691,185.801 85.471,185.801 86.995,187.325 91.44,187.325 91.44,178.226 92.057,177.609 92.169,177.722 98.679,177.722 98.679,188.468 97.155,189.992 85.598,189.992 83.947,188.341 70.021,188.341 69.041,189.321 69.041,195.58 69.469,195.58 69.469,197.187 69.64,197.358 71.461,197.358 71.374,197.271 71.374,195.961 73.406,195.961 73.914,195.453 76.073,195.453 76.073,197.358 73.787,197.358 73.787,197.907 73.208,198.486 70.104,198.486 69.516,198.536 69.277,198.536 68.804,199.009 65.024,199.009 65.024,195.921 65.365,195.58 67.691,195.58
NetC1_1 on Top Layer "Top Layer-NetC1_1" (solid, remove dead copper, pour order 24): 69.85,200.406 76.454,200.406 76.454,198.882 77.343,197.993 83.947,197.993 83.947,204.597 69.85,204.597
no net on Top Layer "Top Layer-No Net" (solid, remove dead copper, pour order 90): 46.99,147.066
12V_ISO on Top Layer "Top Layer-12V_ISO 1" (solid, remove dead copper, pour order 86): 54.483,171.704 64.897,171.704 65.532,171.45 67.409,171.45 67.409,191.643 54.737,191.643
3V3 on Top Layer "Top Layer-3V3" (solid, remove dead copper, pour order 84): 89.027,194.183 89.281,194.437 89.281,197.739 93.98,197.739 93.98,199.091 94.025,199.136 92.456,199.136 92.456,204.978 93.091,205.613 106.172,205.613 106.553,205.994 231.14,205.994 231.267,206.121 231.267,215.519 105.283,215.519 105.156,215.392 90.891,215.392 90.764,215.265 90.764,199.136 87.503,199.136 87.122,198.755 87.122,196.342 86.868,196.088 84.201,196.088 84.201,197.485 77.851,197.485 77.343,196.977 77.343,192.532 71.765,192.532 71.765,197.231 70.485,197.231 70.358,188.722 83.82,188.722 84.201,189.103 84.201,194.183
no net on Top Layer "Top Layer-No Net 1" (solid, remove dead copper, pour order 78): 93.091,199.091
12V_REG on Top Layer "Top Layer-12V_REG 1" (solid, remove dead copper, pour order 70): 141.887,67.651 141.887,66.294 142.981,66.294 142.981,69.977 142.24,69.977 142.24,68.072 142.113,67.945 141.899,67.945
12V_ISO on Top Layer "Top Layer-12V_ISO 2" (solid, remove dead copper, pour order 64): 26.035,200.533 26.264,200.762 52.197,200.762 52.197,192.786 53.34,191.643 67.417,191.643 67.417,180.848 67.29,180.721 51.689,180.721 45.085,187.325 39.497,187.325 39.497,186.69 36.068,183.261 26.035,183.261
12V_REG on Top Layer "Top Layer-12V_REG 2" (solid, remove dead copper, pour order 62): 87.493,186.944 87.493,178.475 87.66,178.308 89.662,178.308 89.662,186.944
Vin on Top Layer "Top Layer-Vin 3" (solid, remove dead copper, pour order 60): 94.361,186.944 96.774,186.944 96.774,178.689 96.647,178.562 94.361,178.562
NetJ4_1 on Top Layer "Top Layer-NetJ4_1" (solid, remove dead copper, pour order 58): 26.09,132.461 38.481,132.461 38.481,139.116 46.126,139.116 46.126,161.773 45.847,162.052 26.545,162.052
5V_REG on Top Layer "Top Layer-5V_REG 1" (solid, remove dead copper, pour order 56): 28.702,77.47 28.829,77.597 95.377,77.597 95.377,65.405 95.504,65.278 94.488,64.262 28.321,64.262
12V_ISO on Top Layer "Top Layer-12V_ISO" (solid, remove dead copper, pour order 52): 56.007,173.482 63.5,173.482 65.532,171.45 65.532,149.86 59.944,149.86 59.309,150.495 59.309,161.234 54.483,166.06 54.483,173.101
Vin on Top Layer "Top Layer-Vin 1" (solid, remove dead copper, pour order 50): 93.091,179.832 96.774,179.832 97.663,178.943 97.663,177.673 95.631,177.673 95.504,177.546 95.152,177.898 93.217,177.898 93.091,178.024
12V_REG on Top Layer "Top Layer-12V_REG" (solid, remove dead copper, pour order 48): 85.479,177.927 89.916,177.927 89.916,179.705 89.662,179.959 85.344,179.959
COM on Top Layer "Top Layer-COM" (solid, remove dead copper, pour order 46): 85.093,177.927 89.281,177.927 89.789,177.419 89.789,175.514 85.09,175.514
COM on Top Layer "Top Layer-COM 1" (solid, remove dead copper, pour order 44): 93.218,177.673 93.218,175.387 97.409,175.387 97.536,175.514 97.536,177.419 95.377,177.419 95.123,177.673 94.996,177.673
5V_REG on Top Layer "Top Layer-5V_REG" (solid, remove dead copper, pour order 42): 80.558,169.963 91.149,169.963 92.964,168.148 92.964,158.242 86.36,158.242 80.391,164.211 80.391,167.132
COM_ISO on Top Layer "Top Layer-COM_ISO" (solid, remove dead copper, pour order 38): 67.564,158.242 67.945,157.861 74.995,157.861 74.995,162.117 78.359,165.481 78.359,170.053 67.437,170.053
COM on Top Layer "Top Layer-COM 2" (solid, remove dead copper, pour order 36): 73.406,142.367 78.486,142.367 79.121,141.732 79.121,129.54 73.406,129.54
NetLED1_1 on Top Layer "Top Layer-NetLED1_1" (solid, remove dead copper, pour order 26): 85.09,200.533 85.093,200.53 90.17,200.53 90.17,199.316 90.117,199.263 85.09,199.263
NetC1_2 on Top Layer "Top Layer-NetC1_2" (solid, remove dead copper, pour order 8): 72.771,202.057 72.771,200.276 72.52,200.025 72.263,200.025 72.263,198.755 71.12,198.755 71.12,202.057
NetC1_1 on Top Layer "Top Layer-NetC1_1 1" (solid, remove dead copper, pour order 6): 71.12,198.755 71.12,200.152 71.247,200.279 71.501,200.279 71.501,202.057 69.85,202.057 69.85,198.755
COM on Bottom Layer "Bottom Layer-COM" (solid, remove dead copper, pour order 110): 26.416,214.757 26.416,64.389 230.251,64.389 232.029,66.167 232.029,215.265
NetJ4_1 on Bottom Layer "Bottom Layer-NetJ4_1" (solid, pour order 68): 26.09,147.066 26.09,132.461 48.641,132.461 49.657,133.477 49.657,162.687 26.619,162.687 26.238,163.068
Vin on Bottom Layer "Bottom Layer-Vin" (solid, pour order 66): 48.102,167.894 62.738,167.894 65.072,170.228 65.072,188.508 85.304,188.508 85.344,188.468 85.344,181.102 72.995,181.102 72.995,171.039 64.865,162.909 64.865,154.94 49.859,154.94 48.84,154.94
no net on Bottom Layer "Bottom Layer-No Net 1" (solid, pour order 112): 46.99,158.44
COM_ISO on Bottom Layer "Bottom Layer-COM_ISO" (solid, pour order 88): 46.228,96.266 46.482,96.012 67.183,96.012 67.183,89.408 66.929,89.154 46.101,89.154
NetJ5_1 on Bottom Layer "Bottom Layer-NetJ5_1" (solid, remove dead copper, pour order 108): 41.275,195.453 41.275,182.626 45.593,182.626 55.88,192.913 55.88,196.977 64.516,205.613 72.517,205.613 72.898,205.994 72.898,213.868 48.26,213.868 43.815,209.423 43.815,196.215 42.037,196.215
no net on Bottom Layer "Bottom Layer-No Net" (solid, remove dead copper, pour order 100): 41.275,182.88
no net on Bottom Solder "Bottom Layer-Vin" (solid, pour order 116): 48.872,167.767 62.844,167.767 65.103,170.026 65.103,188.381 85.335,188.381 85.375,188.341 85.375,180.975 73.027,180.975 73.027,170.912 64.896,162.782 64.896,154.813 49.89,154.813 48.872,154.813

## Keep-outs
Keep-Out Layer:
  the board outline again, w0.127

## Silkscreen, mask and mechanical layers (free items; w line width, h text height)
Top Overlay:
  drawing of 1424 lines, arcs and shapes, not listed
  text "BAT" at 29.464,213.487 h1.27
  text "ON/OFF SWITCH" at 73.406,208.026 h1.78
  text "3V3 KEY" at 94.361,198.374 h1.27
  text "12VPS" at 29.845,197.485 h1.27
  text "3V3" at 98.044,192.659 h1.78
  text "BUT3" at 152.146,190.373 h2.54
  text "BUT1" at 106.553,190.246 h2.54
  text "BUT2" at 130.048,190.246 h2.54
  text "BUT6" at 177.419,190.246 h2.54
  text "BUT5" at 197.739,190.246 h2.54
  text "BUT4" at 219.71,190.119 h2.54
  text "Vin" at 70.485,189.357 h1.27
  text "SWO RST DIO COM CLK VDD" at 114.173,184.785 h1.27
  text "12V" at 77.851,183.261 h1.78
  text "VENTILATOR CONTROL BOARD" at 144.399,180.467 h5.08
  text "20" at 217.17,156.972 h1
  text "3V3 OSC" at 199.771,149.098 h1.78
  text "5V" at 223.266,144.399 h1.78
  text "10" at 212.09,143.383 h1
  text "11" at 217.17,143.383 h1
  text "-5V0" at 221.615,128.778 h1.78
  text "COMPRESSOR" at 25.908,124.333 h1.27
  text "PNEUMVENT / MADE IN CANADA / © 2020" at 169.672,114.681 h3.81
  text "ISOLATION KEY" at 36.195,98.425 h1.27
  text "LUNG PRESSURE" at 131.064,97.409 h2.54
  text "VALVES" at 71.628,93.345 h3.81
  text "VENTURI PRESSURE" at 96.647,86.868 h2.54
  text "Flow Sense Out" at 114.935,82.042 h1.27
  text "INSPIRE" at 46.689,81.195 h3.81
  text "O2" at 84.658,81.195 h3.81
  text "EXPIRE" at 29.337,81.153 h3.81
  text "AIR" at 66.929,81.153 h3.81
  text "CHAMBER PRESSURE" at 177.673,80.772 h2.54
  text "TANK SENSE OUT" at 162.56,79.756 h1.27
  text "LUNG SENSE OUT" at 144.145,63.373 h1.27
Bottom Overlay:
  drawing of 1422 lines, arcs and shapes, not listed
  text "PNEUMVENT" at 221.615,197.866 h12
  text "MADE IN CANADA" at 119.38,76.073 h12